# Altium PCB IC_LAB_test.PcbDoc (part 2 of 8) (continued)
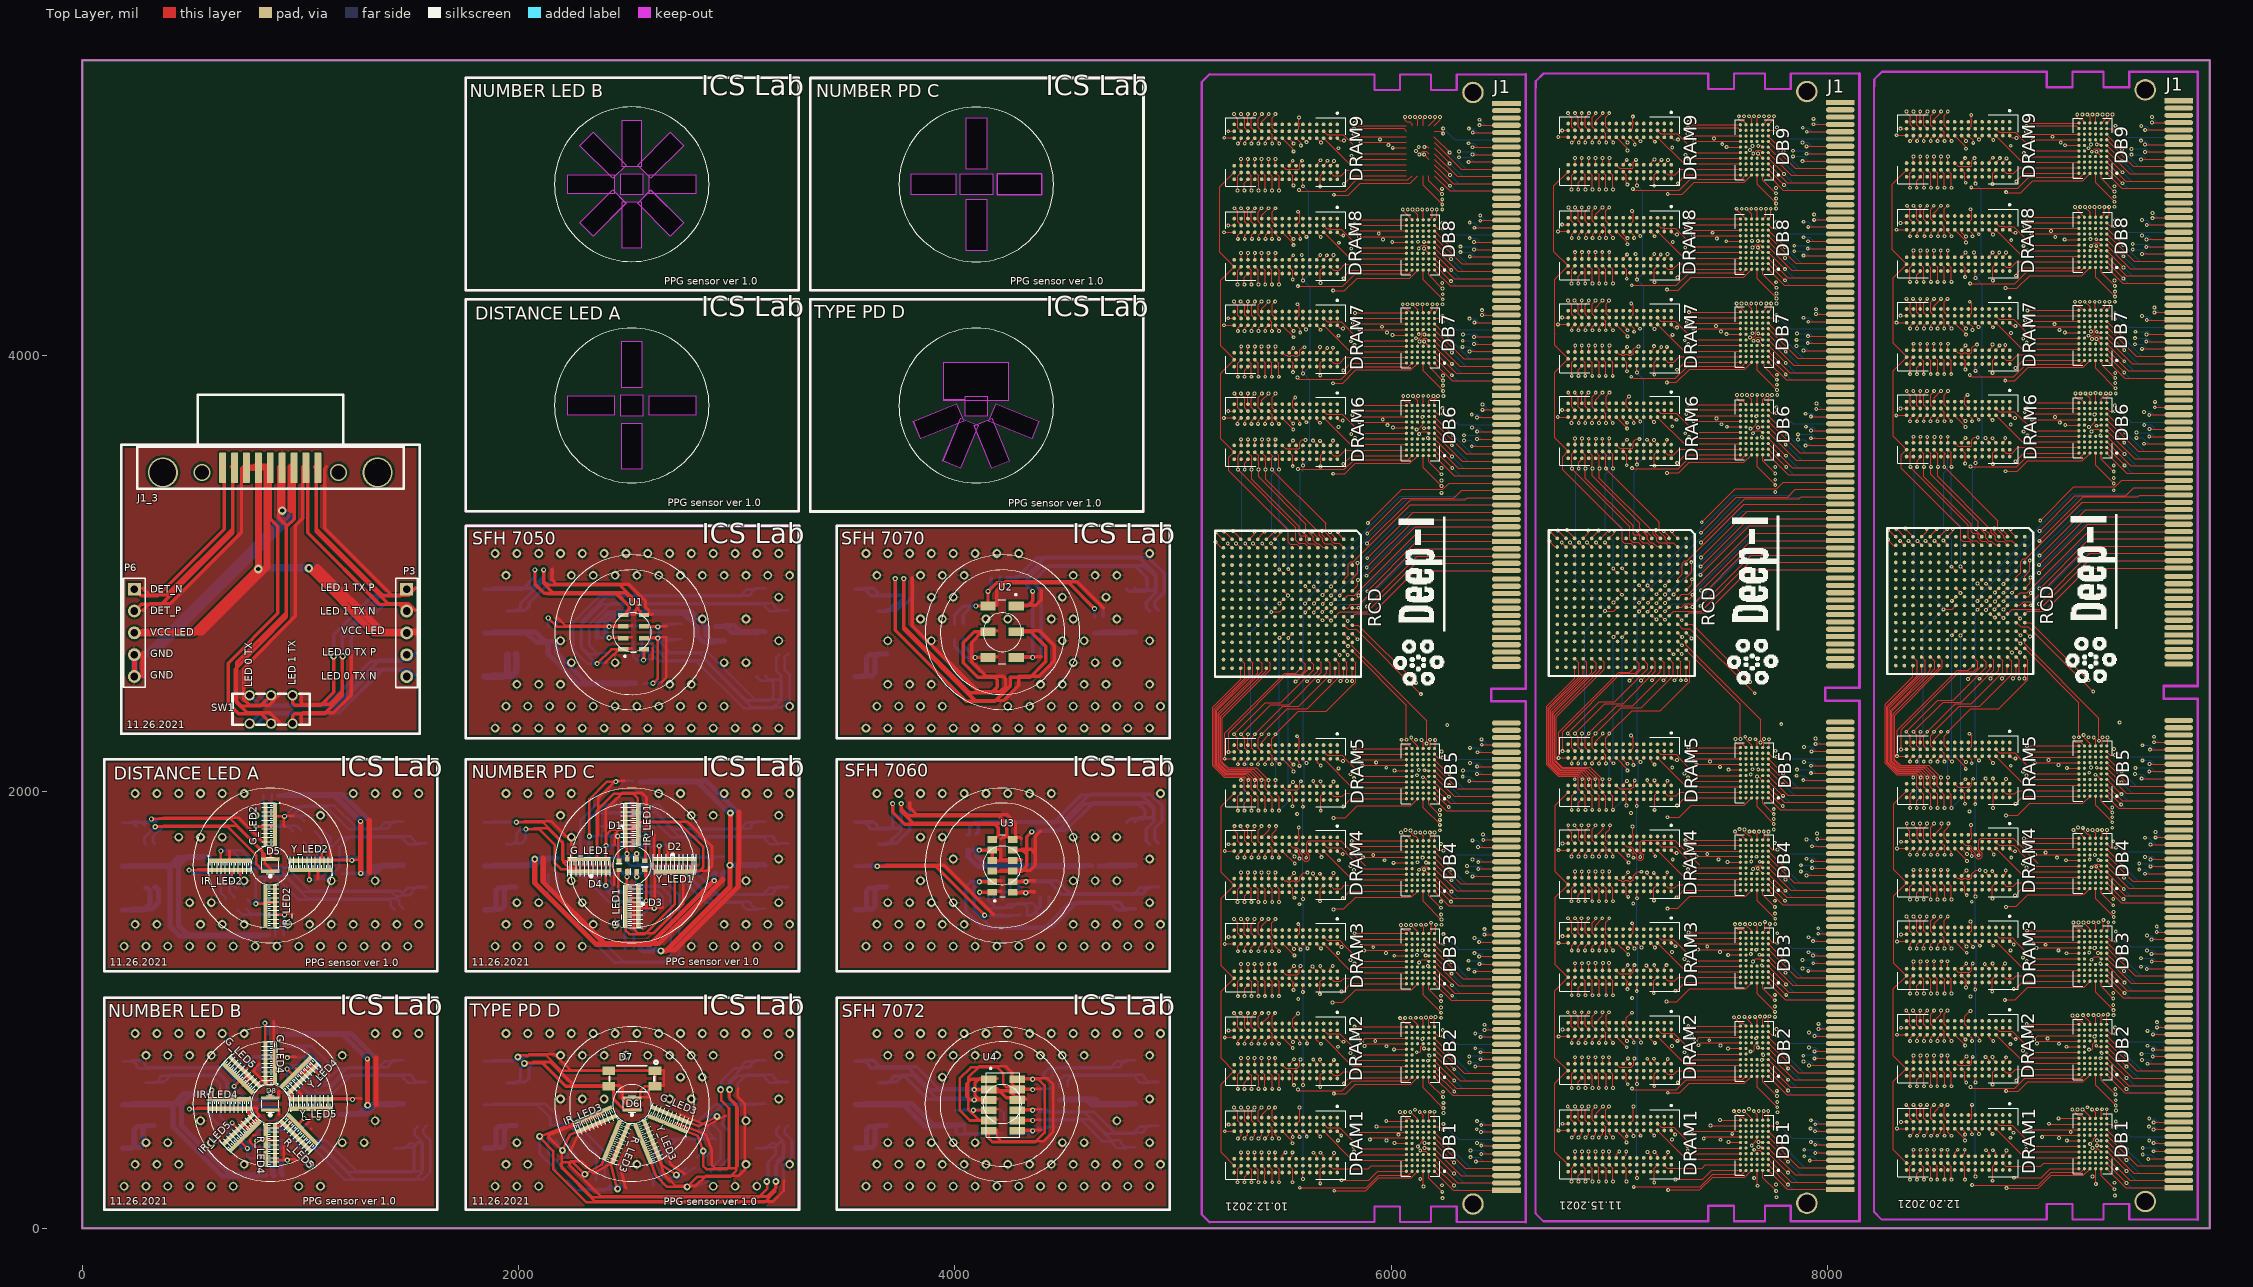
[diagram p0: Top Layer view]
## Nets (pads, with @x,y where several pads share a name; then routed paths per layer and width w, separated by ;. In a path a pad name is that pad's centre, name@x,y a point inside that pad or via, vN(x,y) a via of type N, cw(c..) or ccw(c..) an arc to the next point about the centre after c; other vN are vias at no path point) (continued)
5452.44,3965.24 5452.44,3955.34 5452.69,3955.08 5452.69,3942.48 5452.44,3942.22 v1(5452.44,3902.24) v1@5452.44,3901.24 ; 5437.48,4169.25 5437.48,4167.2 5452.44,4152.24 5452.44,4144.31 5452.69,4144.06 5452.69,4131.45 5452.44,4131.2 v1@5452.44,4114.24 ; 5437.48,4406.46 5437.48,4406.2 5452.44,4391.24 5452.44,4381.52 5452.69,4381.26 5452.69,4368.66 5452.44,4368.4 v1@5452.44,4328.24 ; 5437.48,4595.43 5437.48,4594.2 5453.44,4578.24 v1@5453.44,4540.24 ; 5437.48,4838.23 5437.48,4837.2 5453.44,4821.24 v1@5453.44,4759.24 ; 5437.48,5027.2 5453.44,5011.24 5453.44,4974.24 v1@5454.44,4973.24 ; v1(5448.44,3139.24) 5448.44,3137.68 5466.85,3119.27 5466.85,3117.72 ; v1(5449.44,2824.24) 5488.33,2824.24 5506.22,2842.13 ; 5466.85,3157.09 5491.44,3181.68 v1(5491.44,3192.24) ; v1(5467.44,347.24) 5468.21,346.47 5468.21,318.52 5468.98,317.76 ; v1(5467.44,553.24) 5453.44,539.24 5453.44,492.24 5468.98,476.7 5468.98,475.24 ; v1(5467.44,779.24) 5468.21,778.47 5468.21,749.7 5468.98,748.94 ; v1@5467.44,984.24 5453.76,970.56 5453.76,921.92 5468.98,906.7 5468.98,906.42 ; v1(5467.44,1211.24) 5468.21,1210.47 5468.21,1177.93 5468.98,1177.17 ; v1(5467.44,4247.24) 5453.76,4233.56 5453.76,4185.92 5468.98,4170.7 5468.98,4169.25 ; v1@5468.44,1414.24 5452.69,1398.49 5452.69,1347.98 5466.03,1334.65 5468.98,1334.65 ; v1@5468.44,1629.24 5468.44,1602.7 5468.98,1602.17 ; v1@5468.44,2259.24 5452.69,2243.49 5452.69,2197.98 5468.08,2182.6 5468.98,2182.6 ; v1(5468.44,2263.24) 5573.44,2368.24 5702.44,2368.24 5825.83,2491.63 5826.91,2491.63 5836.3,2501.02 5836.3,2590.79 5821.18,2605.91 ; v1(5468.44,3615.24) 5468.98,3614.7 5468.98,3587.36 ; v1(5468.44,4469.24) 5468.44,4438.49 5468.98,4437.95 ; v1(5468.44,4674.24) 5453.44,4659.24 5453.44,4612.24 5468.98,4596.7 5468.98,4595.43 ; v1@5468.44,5103.24 5453.44,5088.24 5453.44,5043.24 5468.98,5027.7 5468.98,5027.2 ; 5468.98,286.26 5485.44,269.8 5485.44,261.25 5485.26,261.07 5485.26,248.46 5485.44,248.28 v1(5485.44,210.24) ; 5468.98,443.74 5468.98,427.7 v1(5485.44,411.24) ; 5468.98,717.44 5485.44,700.98 5485.44,692.43 5485.26,692.25 5485.26,679.64 5485.44,679.46 v1(5485.44,638.24) ; 5468.98,874.92 5468.98,866.7 v1@5485.44,850.24 ; 5468.98,1145.67 5485.44,1129.2 5485.44,1120.66 5485.26,1120.48 5485.26,1107.87 5485.44,1107.69 v1(5485.44,1063.24) ; 5468.98,1303.15 5468.98,1290.7 v1@5485.44,1274.24 ; 5468.98,1570.67 5485.44,1554.2 5485.44,1545.66 5485.26,1545.48 5485.26,1532.87 5485.44,1532.69 v1@5485.44,1497.24 ; 5468.98,1728.15 5484.44,1712.68 v1@5484.44,1705.24 ; 5468.98,1759.65 5468.03,1759.65 5453.44,1774.24 5453.44,1807.24 5471.44,1825.24 v1@5471.44,1840.24 ; 5468.98,1993.62 5468.98,1991.7 5485.44,1975.24 5485.44,1968.61 5485.26,1968.43 5485.26,1955.82 5485.44,1955.64 v1(5485.44,1913.24) ; 5468.98,2025.12 5469.44,2025.58 v1(5469.44,2053.24) v1@5469.44,2056.24 ; 5468.98,2151.1 5468.98,2141.7 5484.17,2126.5 v1(5488.27,2126.5) ; 5468.98,3555.87 5470.81,3555.87 5484.44,3542.24 5484.44,3479.24 v1@5485.44,3478.24 ; 5468.98,3713.35 5468.98,3704.7 v1@5484.44,3689.24 ; 5468.98,3744.84 5468.98,3745.7 5453.76,3760.92 5453.76,3808.56 v1@5469.44,3824.24 ; 5468.98,3980.28 5468.98,3979.7 5484.44,3964.24 v1(5484.44,3902.24) ; 5468.98,4011.77 5468.98,4039.77 v1@5469.44,4040.24 ; 5468.98,4137.76 5468.98,4131.7 v1@5485.44,4115.24 ; 5468.98,4406.46 5469.22,4406.46 5485.44,4390.24 5485.44,4381.45 5485.26,4381.26 5485.26,4368.66 5485.44,4368.48 v1@5485.44,4329.24 ; 5468.98,4563.94 5468.98,4556.7 v1@5485.44,4540.24 ; 5468.98,4838.23 5468.98,4837.7 5485.44,4821.24 5485.44,4813.22 5485.26,4813.03 5485.26,4800.43 5485.44,4800.25 v1@5485.44,4761.24 ; 5468.98,4869.72 5468.98,4899.77 v1(5469.44,4900.24) ; 5468.98,4995.71 5468.98,4991.7 v1@5486.44,4974.24 ; v1(5486.44,3019.24) 5486.52,3019.24 5506.15,2999.61 5506.22,2999.61 ; v1(5487.44,2705.24) 5506.22,2724.02 ; v1(5487.44,2863.24) 5505.7,2881.5 5506.22,2881.5 ; 5500.47,317.76 5500.47,333.27 v1(5514.44,347.24) ; 5500.47,443.74 5545.72,398.49 5545.72,390.96 v1(5547.44,389.24) ; 5500.47,748.94 5515.69,733.72 5569.77,733.72 5579.75,743.7 5579.75,769.54 v1(5583.44,773.24) ; 5500.47,874.92 5500.47,874.06 5548.44,826.09 v1(5548.44,825.24) ; 5500.47,1177.17 5515.69,1161.95 5569.77,1161.95 5578.68,1170.86 5578.68,1196.47 v1(5583.44,1201.24) ; 5500.47,1303.15 5501.5,1303.15 5554.41,1250.24 v1(5555.44,1250.24) ; 5500.47,1602.17 5511.4,1591.24 5521.38,1591.24 5525.67,1586.95 5538.27,1586.95 5542.56,1591.24 5552.88,1591.24 5557.16,1586.95 5569.77,1586.95 5574.05,1591.24 5579.44,1591.24 5579.44,1611.37 5597.31,1629.24 v1(5615.44,1629.24) ; 5500.5,1728.15 v1(5557.44,1671.24) ; 5500.47,2025.12 5515.69,2009.9 5569.77,2009.9 5579.75,2019.88 5579.75,2042.32 v1(5585.44,2048.02) ; 5500.47,2151.1 5549.72,2101.86 5549.72,2094.96 v1(5551.44,2093.24) ; 5500.47,3587.36 5500.47,3587.2 5516.44,3571.24 5575.44,3571.24 5579.44,3575.24 5579.44,3601.24 5590.44,3612.24 v1(5606.44,3612.24) ; 5500.47,3713.35 5500.47,3711.78 5550.44,3661.81 v1(5550.44,3660.24) ; 5500.47,4011.77 5502.91,4011.77 5514.44,4000.24 5521.99,4000.24 5525.67,3996.56 5538.27,3996.56 5541.95,4000.24 5553.48,4000.24 5557.16,3996.56 5569.77,3996.56 5573.45,4000.24 5579.44,4000.24 5579.44,4023.24 5591.94,4035.74 5600.94,4035.74 v1(5602.44,4037.24) ; 5500.47,4137.76 5500.47,4136.48 5552.44,4084.51 v1(5552.44,4083.24) ; 5500.47,4563.94 5550.72,4513.69 5550.72,4506.96 v1(5552.44,4505.24) ; 5500.47,4869.72 5515.96,4854.24 5576.44,4854.24 5579.44,4857.24 5579.44,4881.24 5590.44,4892.24 v1(5591.44,4892.24) ; 5500.47,4995.71 5550.72,4945.46 5550.72,4936.96 v1(5552.44,4935.24) ; 5506.22,2920.87 5526.44,2900.65 v1(5526.44,2899.24) ; v1(5527.44,2704.24) 5527.44,2705.87 5545.59,2724.02 ; v1(5527.44,3020.24) 5527.44,3019 5545.59,3000.85 5545.59,2999.61 ; 5531.97,286.26 5531.97,284.71 5547.18,269.49 5547.18,210.49 v1(5547.44,210.24) ; 5531.97,317.76 5546.44,332.23 v1(5546.44,347.24) ; 5531.97,443.74 5547.97,427.74 5547.97,417.7 v1(5548.44,417.24) ; 5531.97,717.44 5547.44,701.97 5547.44,663.67 5553.44,657.67 v1(5553.44,655.24) ; 5531.97,748.94 5531.97,750.35 5554.44,772.82 v1(5554.44,774.24) ; 5531.97,874.92 5531.97,872.82 5549.44,855.34 v1(5549.44,853.24) ; 5531.97,1145.67 5552.44,1125.2 5552.44,1124.67 5548.25,1120.48 5548.25,1107.87 5552.44,1103.68 v1(5552.44,1091.24) ; 5531.97,1177.17 5531.97,1178.46 5553.44,1199.94 v1(5553.44,1201.24) ; 5531.97,1303.15 5531.97,1302.43 5554.44,1279.96 v1(5554.44,1279.24) ; 5531.97,1570.67 5547.32,1555.31 5547.32,1522.35 v1(5555.44,1514.24) ; 5531.97,1602.17 5531.97,1603.46 5554.44,1625.94 v1(5554.44,1627.24) ; 5531.97,1728.15 5531.97,1727.93 5556.44,1703.46 v1(5556.44,1703.24) ; 5531.97,1759.65 5548.25,1743.36 5569.77,1743.36 5579.75,1733.38 5579.75,1721.85 5594.71,1706.88 5594.71,1690.9 5603.85,1681.76 5616.78,1681.76 5625.93,1690.9 5625.93,1707.16 5611.24,1721.85 5611.24,1765.95 5620.15,1774.86 5767.82,1774.86 5881.59,1661.09 ; 5531.97,1993.62 5533.06,1993.62 5547.44,1979.24 v1(5547.44,1933.24) ; 5531.97,2025.12 5531.97,2026.44 5549.44,2043.91 v1(5549.44,2045.24) ; 5531.97,2151.1 5534.63,2148.44 5534.63,2140.04 5550.44,2124.24 v1(5552.44,2124.24) ; 5531.97,3555.87 5548.44,3539.39 5548.44,3530.86 5548.25,3530.67 5548.25,3518.07 5548.44,3517.88 v1(5548.44,3492.24) ; 5531.97,3587.36 5531.97,3589.56 5549.44,3607.04 v1(5549.44,3609.24) ; 5531.97,3713.35 5533.44,3711.87 5533.44,3702.24 5548.44,3687.24 v1(5550.44,3687.24) ; 5531.97,3980.28 5549.44,3962.8 5549.44,3956.27 5548.25,3955.08 5548.25,3942.48 5549.44,3941.29 v1(5549.44,3923.24) ; 5531.97,4011.77 5531.97,4013.77 5550.44,4032.24 v1(5550.44,4034.24) ; 5531.97,4137.76 5531.97,4134.14 5552.44,4113.67 v1(5552.44,4111.24) ; 5531.97,4406.46 5531.97,4404.71 5548.44,4388.24 5548.44,4381.45 5548.25,4381.26 5548.25,4368.66 5548.44,4368.47 v1(5548.44,4347.24) ; 5531.97,4437.95 5531.97,4439.36 5550.44,4457.83 v1(5550.44,4459.24) ; 5531.97,4563.94 5533.7,4562.2 5533.7,4550.97 5551.44,4533.24 v1(5552.44,4533.24) ; 5531.97,4838.23 5531.97,4837.71 5547.44,4822.24 5547.44,4787.24 5549.72,4784.96 5549.72,4780.96 v1(5551.44,4779.24) ; 5531.97,4869.72 5531.97,4873.33 5548.44,4889.8 v1(5548.44,4892.24) ; 5531.97,4995.71 5531.97,4993.71 5552.44,4973.24 v1(5552.44,4971.24) ; v1(5559.44,3807.24) 5547.44,3795.24 5547.44,3762.24 5563.46,3746.21 5563.46,3744.84 ; v1(5561.44,2505.24) 5563.03,2505.24 5624.33,2566.54 ; 5563.46,443.74 5578.47,428.74 5578.47,419.21 v1(5579.44,418.24) ; 5563.46,475.24 5579.44,491.21 v1(5579.44,553.24) ; 5563.46,874.92 5580.44,857.94 v1(5580.44,846.24) ; 5563.46,906.42 5547.32,922.56 5547.32,960.12 5570.44,983.24 v1(5572.44,983.24) ; 5563.46,1303.15 5563.46,1300.65 5584.44,1279.67 v1(5584.44,1277.24) ; 5563.46,1334.65 5579.44,1350.62 5579.44,1384.8 5573.44,1390.8 v1(5573.44,1393.24) ; 5563.46,1728.15 5563.46,1726.11 5578.82,1710.75 v1(5578.82,1693.43) ; 5563.46,1759.65 5578.68,1774.86 5578.68,1797.44 5575.44,1800.68 v1(5575.44,1836.24) ; 5563.46,2151.1 5578.82,2135.75 v1(5578.82,2118.63) ; 5563.46,2182.6 5578.68,2197.81 5578.68,2244 v1(5568.44,2254.24) ; 5563.46,3713.35 5580.07,3696.74 5580.07,3686.6 v1(5580.44,3686.24) ; 5563.46,4137.76 5582.44,4118.78 v1(5582.44,4104.24) ; 5563.46,4169.25 5578.68,4184.47 5578.68,4225 v1(5569.44,4234.24) ; 5563.46,4563.94 5582.44,4544.96 v1(5582.44,4534.24) ; 5563.46,4595.43 5579.44,4611.41 5579.44,4650.39 5572.44,4657.39 v1(5572.44,4658.24) ; 5563.46,4995.71 5585.44,4973.73 v1(5585.44,4962.24) ; 5563.46,5027.2 5565.41,5027.2 5576.44,5038.24 5576.44,5050.16 5578.68,5052.4 5578.68,5065 5576.44,5067.24 v1(5576.44,5090.24) ; v1(5569.44,3898.24) 5577.44,3890.24 5771.44,3890.24 5828.12,3946.91 6077.07,3946.91 6095.08,3964.92 ; v1(5571.44,4317.24) 5776.44,4317.24 5834.44,4375.24 6079.21,4375.24 6095.08,4391.1 ; v1(5572.44,635.24) 5577.44,630.24 5775.44,630.24 5820.44,675.24 6078.62,675.24 6095.08,691.69 ; v1(5572.44,3479.24) 5574.44,3477.24 5784.44,3477.24 5829.44,3522.24 6076.8,3522.24 6095.08,3540.51 ; v1(5576.44,4758.24) 5581.44,4753.24 5788.44,4753.24 5839.12,4803.91 6076.12,4803.91 6095.08,4822.87 ; v1(5580.44,185.24) 5884.44,185.24 5942.44,243.24 6077.8,243.24 6095.08,260.51 ; v1(5594.44,1082.24) 5594.96,1082.76 5594.96,1114.17 ; v1(5594.44,1931.24) 5594.96,1931.76 5594.96,1962.13 ; 5594.96,254.76 5594.96,225.72 v1(5595.44,225.24) ; 5594.96,443.74 5612.44,426.26 v1(5612.44,419.24) ; 5594.96,685.94 5595.44,685.46 v1(5595.44,656.24) ; 5594.96,874.92 5614.25,855.63 v1(5614.25,846.98) ; 5594.96,1303.15 5596.74,1303.15 5615.66,1284.24 v1(5615.66,1282.38) ; 5594.96,1539.17 5594.96,1508.72 v1(5595.44,1508.24) ; 5594.96,1728.15 5594.96,1725.93 5614.51,1706.38 5610.32,1702.18 v1(5610.32,1697.37) ; 5594.96,2151.1 5594.96,2149.91 5611.44,2133.43 v1(5611.44,2132.24) ; 5594.96,3524.37 5594.96,3495.72 v1(5595.44,3495.24) ; 5594.96,3713.35 5594.96,3711.03 5610.44,3695.55 v1(5610.44,3693.24) ; 5594.96,3948.78 5594.96,3917.72 v1(5595.44,3917.24) ; 5594.96,4135.15 v1@5609.44,4120.67 ; 5594.96,4374.96 5594.96,4343.72 v1(5595.44,4343.24) ; 5594.96,4563.94 5594.96,4561.15 5610.44,4545.67 v1(5610.44,4543.24) ; 5594.96,4806.73 5594.96,4775.72 v1(5595.44,4775.24) ; 5594.96,4995.71 5594.96,4994.71 5611.44,4978.23 v1(5611.44,4977.24) ; v1(5598.44,3192.24) 5600.16,3190.51 5600.16,3184 5624.33,3159.83 5624.33,3157.09 ; v1(5604.44,2862.24) 5604.76,2862.24 5624.02,2881.5 5624.33,2881.5 ; v1(5605.44,2822.24) 5624.33,2841.13 5624.33,2842.13 ; v1(5605.44,2942.24) 5605.44,2941 5624.33,2922.11 5624.33,2920.87 ; v1(5613.44,2506.24) 5616.44,2506.24 5662.44,2552.24 5662.44,2565.28 5663.7,2566.54 ; v1(5636.44,3192.24) 5661.44,3167.24 5661.44,3159.35 5663.7,3157.09 ; v1(5638.44,1199.24) 5638.44,1197.96 5657.95,1178.45 5657.95,1177.17 ; v1(5641.44,1625.24) 5643.16,1623.51 5643.16,1616.96 5657.95,1602.17 ; v1(5641.44,3609.24) 5657.95,3592.72 5657.95,3587.36 ; v1(5642.44,772.24) 5657.95,756.72 5657.95,748.94 ; v1(5642.44,2049.24) 5644.16,2047.51 5644.16,2038.91 5657.95,2025.12 ; v1(5643.44,345.24) 5657.95,330.72 5657.95,317.76 ; v1(5644.44,2821.24) 5644.44,2822.05 5663.7,2841.31 5663.7,2842.13 ; v1(5644.44,2941.24) 5644.44,2940.68 5663.7,2921.42 5663.7,2920.87 ; v1(5645.44,2862.24) 5645.44,2862.74 5663.7,2881 5663.7,2881.5 ; 5657.95,443.74 5657.95,436.72 v1(5674.44,420.24) ; 5657.95,874.92 5656.44,873.41 5656.44,864.24 5675.44,845.24 v1(5677.44,845.24) ; 5657.95,1303.15 5657.95,1302.44 5677.44,1282.95 v1(5677.44,1282.24) ; 5657.95,1728.15 5677.72,1708.38 5677.72,1701.96 v1(5679.44,1700.24) ; 5657.95,2151.1 5660.62,2148.44 5660.62,2136.06 v1(5676.44,2120.24) ; 5657.95,3713.35 5660.44,3710.86 5660.44,3703.24 5672.44,3691.24 v1(5673.44,3691.24) ; 5657.95,4011.77 5673.44,4027.26 v1(5673.44,4038.24) ; 5657.95,4137.76 5657.95,4136.24 5675.44,4118.75 v1(5675.44,4117.24) ; 5657.95,4437.95 5657.95,4441.31 5674.44,4457.8 v1(5674.44,4460.24) ; 5657.95,4563.94 5657.95,4562.33 5676.44,4543.84 v1(5676.44,4542.24) ; 5657.95,4869.72 5660.62,4872.39 5660.62,4879.41 v1(5675.44,4894.24) ; 5657.95,4995.71 5657.95,4995.22 5677.44,4975.73 v1(5677.44,4975.24) ; 5663.7,2802.76 5665.81,2802.76 5682.33,2786.24 v1(5684.44,2786.24) ; v1(5664.44,2507.24) 5703.07,2545.87 5703.07,2566.54 ; v1(5672.44,1072.24) 5672.44,1107.14 5673.17,1107.87 5673.17,1120.48 5672.44,1121.2 5672.44,1128.66 5689.45,1145.67 ; v1(5672.44,1624.24) 5672.44,1621.8 5689.45,1604.79 5689.45,1602.17 ; v1(5673.44,772.24) 5675.16,770.51 5675.16,763.22 5689.45,748.94 ; v1(5673.44,1498.24) 5673.44,1554.66 5689.45,1570.67 ; v1(5673.44,3608.24) 5673.44,3605.8 5689.45,3589.8 5689.45,3587.36 ; v1(5674.44,205.24) 5674.44,248.25 5674.23,248.46 5674.23,261.07 5674.44,261.27 5674.44,271.25 5689.45,286.26 ; v1(5674.44,646.24) 5674.44,679.44 5674.23,679.64 5674.23,692.25 5674.44,692.45 5674.44,702.43 5689.45,717.44 ; v1(5674.44,1201.24) 5675.88,1199.8 5675.88,1190.74 5689.45,1177.17 ; v1(5674.44,3907.24) 5674.44,3942.27 5674.23,3942.48 5674.23,3955.08 5674.44,3955.29 5674.44,3965.27 5689.45,3980.28 ; v1(5674.44,4773.24) 5674.44,4800.22 5674.23,4800.43 5674.23,4813.03 5674.44,4813.24 5674.44,4823.22 5689.45,4838.23 ; v1(5675.44,345.24) 5687.52,333.16 5687.52,319.68 5689.45,317.76 ; v1(5675.44,2048.24) 5676.83,2046.85 5676.83,2037.74 5689.45,2025.12 ; v1(5675.44,3490.24) 5675.44,3516.86 5674.23,3518.07 5674.23,3530.67 5675.44,3531.88 5675.44,3541.86 5689.45,3555.87 ; v1(5675.44,4331.24) 5674.23,4332.44 5674.23,4391.24 5689.45,4406.46 ; v1(5676.44,1913.24) 5676.44,1980.61 5689.45,1993.62 ; v1(5682.44,3195.24) 5682.44,3177.48 5702.83,3157.09 5703.07,3157.09 ; v1(5683.44,2824.24) 5685.18,2824.24 5703.07,2842.13 ; v1(5684.44,2901.24) 5684.44,2901.74 5703.07,2920.37 5703.07,2920.87 ; v1(5685.44,2860.24) 5685.44,2862.05 5703.07,2879.68 5703.07,2881.5 ; 5689.45,443.74 5821.5,311.69 6069.49,311.69 ; 5689.45,475.23 5705.72,458.95 5764.72,458.95 5860.8,362.87 6069.49,362.87 ; 5689.45,874.92 5821.5,742.87 6069.49,742.87 ; 5689.45,906.42 5705.63,890.24 5764.44,890.24 5860.62,794.06 6069.49,794.06 ; 5689.45,1303.15 5821.5,1171.1 6069.49,1171.1 ; 5689.45,1334.65 5705.67,1318.43 5763.33,1318.43 5787.05,1294.7 5787.05,1294.63 5859.39,1222.28 6069.49,1222.28 ; 5689.45,1728.15 5821.5,1596.1 6069.49,1596.1 ; 5689.45,1759.65 5705.73,1743.36 5771.39,1743.36 5793.05,1721.7 5793.05,1718.63 5864.39,1647.28 6069.49,1647.28 ; 5689.45,2151.1 5821.5,2019.06 6069.49,2019.06 ; 5689.45,2182.6 5705.2,2166.85 5774.9,2166.85 5794.05,2147.7 5794.05,2145.63 5869.44,2070.24 6069.49,2070.24 ; 5689.45,3713.35 5811.1,3591.69 6069.49,3591.69 ; 5689.45,3744.84 5689.83,3744.84 5704.44,3730.24 5774.44,3730.24 5861.8,3642.87 6069.49,3642.87 ; 5689.45,4011.77 5689.45,4014.81 5706.44,4031.8 v1(5706.44,4034.24) ; 5689.45,4137.76 5811.1,4016.1 6069.49,4016.1 ; 5689.45,4169.25 5705.46,4153.24 5770.44,4153.24 5856.39,4067.28 6069.49,4067.28 ; 5689.45,4437.95 5702.72,4451.22 5702.72,4457.51 v1(5704.44,4459.24) ; 5689.45,4563.94 5811.1,4442.28 6069.49,4442.28 ; 5689.45,4595.43 5703.97,4580.91 5713.95,4580.91 5714.64,4580.22 5721.14,4580.22 5722.2,4579.15 5727.25,4579.15 5728.16,4578.24 5745.22,4578.24 5746.14,4579.15 5758.74,4579.15 5759.66,4578.24 5771.44,4578.24 5856.21,4493.46 6069.49,4493.46 ; 5689.45,4869.72 5689.45,4871.98 5707.44,4889.98 v1(5707.44,4892.24) ; 5689.45,4995.71 5811.1,4874.06 6069.49,4874.06 ; 5689.45,5027.2 5705.42,5011.24 5779.14,5011.24 5865.14,4925.24 6069.49,4925.24 ; 5703.07,2802.76 5704,2802.76 5722.52,2784.24 v1(5723.44,2784.24) ; v1(5717.44,2507.24) 5742.44,2532.24 5742.44,2566.54 ; 5720.94,286.26 5720.94,283.73 5733.63,271.05 5894.03,271.05 5909.09,286.1 6069.49,286.1 ; 5720.94,317.76 5736.93,333.74 5736.93,343.72 v1(5737.44,344.24) ; 5720.94,717.44 5737.09,701.3 5763.5,701.3 5779.49,717.28 6069.49,717.28 ; 5720.94,748.94 5734.72,762.71 5734.72,769.51 v1(5736.44,771.24) ; 5720.94,1145.67 5736.16,1130.45 5768.66,1130.45 5783.72,1145.51 6069.49,1145.51 ; 5720.94,1177.17 5720.94,1190.74 v1(5731.44,1201.24) ; 5720.94,1570.67 5736.16,1555.45 5769.66,1555.45 5784.72,1570.51 6069.49,1570.51 ; 5720.94,1602.17 5734.44,1615.66 v1(5734.44,1627.24) ; 5720.94,1993.62 5736.16,1978.41 5775.61,1978.41 5790.67,1993.46 6069.49,1993.46 ; 5720.94,2025.12 5733.72,2037.89 5733.72,2044.51 v1(5735.44,2046.24) ; 5720.94,3555.87 5736.16,3540.65 5763.86,3540.65 5789.31,3566.1 6069.49,3566.1 ; 5720.94,3587.36 5732.32,3598.74 5732.32,3609.11 v1(5732.44,3609.24) ; 5720.94,3980.28 5736.16,3965.06 5764.27,3965.06 5789.72,3990.51 6069.49,3990.51 ; 5720.94,4011.77 5732.44,4023.27 v1(5732.44,4035.24) ; 5720.94,4406.46 5736.17,4391.24 5760.44,4391.24 5785.9,4416.69 6069.49,4416.69 ; 5720.94,4437.95 5733.72,4450.73 5733.72,4458.51 v1(5735.44,4460.24) ; 5720.94,4838.23 5736.16,4823.01 5770.22,4823.01 5795.67,4848.46 6069.49,4848.46 ; 5720.94,4869.72 5720.94,4872.3 5737.44,4888.8 v1(5737.44,4891.24) ; v1(5723.44,2861.24) 5723.44,2861.87 5742.44,2880.87 5742.44,2881.5 ; v1(5723.44,2900.24) 5723.44,2901.05 5742.44,2920.05 5742.44,2920.87 ; v1(5723.44,2940.24) 5723.44,2940.74 5742.44,2959.74 5742.44,2960.24 ; v1(5724.44,2823.24) 5724.44,2823.68 5742.44,2841.68 5742.44,2842.13 ; v1(5730.44,1034.24) 5777.44,1034.24 5836.44,1093.24 6093.98,1093.24 6120.67,1119.92 ; v1(5732.44,3872.24) 5776.44,3872.24 5837.44,3933.24 6088.98,3933.24 6120.67,3964.92 ; v1(5733.44,3457.24) 5787.44,3457.24 5835.44,3505.24 6085.39,3505.24 6120.67,3540.51 ; v1(5733.44,4297.24) 5735.44,4295.24 5784.44,4295.24 5843.44,4354.24 6083.8,4354.24 6120.67,4391.1 ; v1(5735.44,1460.24) 5738.44,1463.24 5782.44,1463.24 5836.44,1517.24 6080.44,1517.24 6081.44,1518.24 6093.98,1518.24 6120.67,1544.92 ; v1(5735.44,1879.24) 5736.44,1880.24 5788.44,1880.24 5843.44,1935.24 6088.03,1935.24 6120.67,1967.87 ; v1(5736.44,616.24) 5791.44,616.24 5834.44,659.24 6088.21,659.24 6120.67,691.69 ; v1(5736.44,4736.24) 5736.44,4735.24 5737.44,4734.24 5802.44,4734.24 5857.44,4789.24 6087.03,4789.24 6120.67,4822.87 ; v1(5738.44,171.24) 5883.44,171.24 5942.44,230.24 6090.39,230.24 6120.67,260.51 ; 5742.44,2645.28 5761.48,2626.24 v1(5763.44,2626.24) ; 5742.44,2802.76 5763.92,2824.24 5889.44,2824.24 6112.18,3046.97 6527.44,3046.97 ; 5742.44,3157.09 5740.44,3159.09 5740.44,3166.24 v1@5719.79,3186.89 ; 5752.44,443.74 5770.44,425.74 v1(5770.44,425.05) ; 5752.44,874.92 5771.4,855.96 5778.72,855.96 v1(5780.44,854.24) ; 5752.44,1303.15 5756.53,1303.15 v1(5771.44,1288.24) ; 5752.44,1728.15 5765.35,1715.24 v1(5777.44,1715.24) ; 5752.44,2151.1 5754.49,2151.1 5764.35,2141.24 v1(5778.44,2141.24) ; 5752.44,3713.35 5764.55,3701.24 v1(5777.44,3701.24) ; 5752.44,4137.76 5766.96,4123.24 v1(5778.44,4123.24) ; 5752.44,4563.94 5766.14,4550.24 v1(5779.44,4550.24) ; 5752.44,4995.71 5763.39,4984.76 v1(5783.54,4984.76) ; v1(5756.44,3191.24) 5758.16,3189.52 5758.16,3180.74 5781.81,3157.09 ; v1(5763.44,2900.24) 5763.44,2901.37 5781.81,2919.74 5781.81,2920.87 ; v1(5767.44,2507.24) 5781.81,2521.61 5781.81,2566.54 ; v1(5771.44,1084.24) 5773.16,1085.96 5781.16,1085.96 5815.13,1119.92 6069.49,1119.92 ; v1(5772.44,219.24) 5897.44,219.24 5938.72,260.51 6069.49,260.51 ; v1(5777.44,1512.24) 5810.13,1544.92 6069.49,1544.92 ; v1(5779.44,1932.24) 5815.08,1967.87 6069.49,1967.87 ; v1(5779.44,3930.24) 5814.13,3964.92 6069.49,3964.92 ; v1(5779.61,3502.48) 5817.64,3540.51 6069.49,3540.51 ; v1(5781.44,4353.24) 5781.44,4359.24 5812.44,4390.24 6068.62,4390.24 6069.49,4391.1 ; 5781.81,2605.91 5796.44,2591.28 5796.44,2573.28 5796.93,2572.8 5796.93,2560.27 5796.44,2559.79 v1(5796.44,2507.24) ; 5781.81,2645.28 5799.85,2627.24 v1(5800.44,2627.24) ; 5781.81,2684.65 5784.03,2684.65 v1(5801.44,2667.24) ; 5781.81,2724.02 5800.59,2705.24 v1(5802.44,2705.24) ; 5781.81,2763.39 5784.29,2763.39 5803.44,2744.24 5838.44,2744.24 v1(6135.44,2447.24) ; 5781.81,2802.76 5781.81,2801.81 5800.44,2783.18 v1(5800.44,2782.24) ; 5781.81,2842.13 5799.8,2842.13 5816.52,2858.84 5855.05,2858.84 6110.1,3113.9 6527.44,3113.9 ; 5781.81,2881.5 5800.55,2900.24 5832.44,2900.24 6113.03,3180.83 6527.44,3180.83 ; 5781.81,2960.24 5783.31,2961.73 5783.31,2973.1 5802.44,2992.24 5802.44,3043.24 5814.44,3055.24 5826.44,3055.24 6085.89,3314.69 6527.44,3314.69 ; v1(5782.44,664.24) 5782.44,665.24 5807.44,690.24 6068.03,690.24 6069.49,691.69 ; v1(5782.44,4785.24) 5820.08,4822.87 6069.49,4822.87 ; v1(5818.38,1751.3) 6067.83,1751.3 6069.49,1749.65 ; v1(5818.44,1774.24) 5818.94,1774.74 6068.99,1774.74 6069.49,1775.24 ; v1(5820.44,2507.24) 5821.18,2507.98 5821.18,2566.54 ; 5821.18,2645.28 6069.44,2397.02 v1@6069.44,2239.24 ; 5821.18,2684.65 5821.18,2666.65 6161.87,2325.97 v1(6161.87,2221.68) ; 5821.18,2724.02 5845.44,2699.76 v1(5845.44,2699.24) ; 5821.18,2763.39 5849.29,2763.39 v1(6113.44,2499.24) ; 5821.18,2802.76 5834.66,2816.24 5912.41,2816.24 6109.68,3013.51 6527.44,3013.51 ; 5821.18,2842.13 5848.33,2842.13 v1(5849.44,2843.24) ; 5821.18,2881.5 5837.7,2881.5 5848.44,2892.24 5848.44,2898.24 v1(5849.44,2899.24) ; 5821.18,2920.87 5846.44,2946.13 5846.44,2969.24 v1(5847.44,2970.24) ; 5821.18,2960.24 5821.18,2976.98 5845.44,3001.24 5845.44,3047.24 v1(5844.44,3048.24) ; v1(5828.44,352.24) 5843.39,337.28 6069.49,337.28 ; v1(5828.44,783.24) 5843.21,768.46 6069.49,768.46 ; v1(5828.44,897.24) 5829.26,896.42 6069.49,896.42 ; v1(5829.44,1641.24) 5848.98,1621.69 6069.49,1621.69 ; v1(5829.44,2062.24) 5847.03,2044.65 6069.49,2044.65 ; v1(5829.44,5040.24) 6056.85,5040.24 6069.49,5027.6 ; v1(5830.44,923.24) 5831.67,922.01 6069.49,922.01 ; v1(5830.44,1213.24) 5846.98,1196.69 6069.49,1196.69 ; v1(5830.44,1324.24) 5830.65,1324.44 6069.28,1324.44 6069.49,1324.65 ; v1(5830.44,4048.24) 5836.98,4041.69 6069.49,4041.69 ; v1(5830.44,4899.24) 5830.85,4899.65 6069.49,4899.65 ; v1(5830.44,5065.24) 5842.49,5053.19 6069.49,5053.19 ; v1(5831.44,1351.24) 5831.94,1350.74 6068.99,1350.74 6069.49,1350.24 ; v1(5831.44,2172.24) 5831.62,2172.42 6069.31,2172.42 6069.49,2172.6 ; v1(5831.44,2198.24) 5831.49,2198.19 6069.49,2198.19 ; v1(5831.44,3746.24) 5831.94,3745.74 6068.99,3745.74 6069.49,3745.24 ; v1(5831.44,3771.24) 5831.85,3770.83 6069.49,3770.83 ; v1(5831.44,4168.24) 5832.85,4169.65 6069.49,4169.65 ; v1(5831.44,4468.24) 5831.8,4467.87 6069.49,4467.87 ; v1(5831.44,4603.24) 5838.85,4595.83 6069.49,4595.83 ; v1(5832.44,4626.24) 5837.26,4621.42 6069.49,4621.42 ; v1(5833.44,3621.24) 5837.39,3617.28 6069.49,3617.28 ; v1(5833.44,4194.24) 5833.94,4194.74 6068.99,4194.74 6069.49,4195.24 ; v1(5834.44,1734.83) v1@5835.45,1735.84 ; v1(5836.44,4563.24) 5837.29,4563.24 5844.29,4570.24 6069.49,4570.24 ; v1(5839.44,3711.24) 5847.85,3719.65 6069.49,3719.65 ; v1(5840.44,4136.24) 5848.26,4144.06 6069.49,4144.06 ; v1(5843.44,4995.24) 5850.21,5002.01 6069.49,5002.01 ; v1(5848.44,440.24) 5849.03,439.65 6069.49,439.65 ; v1(5851.44,1718.24) 5853.88,1718.24 5859.7,1724.06 6069.49,1724.06 ; v1(5851.44,4545.24) 5852.03,4544.65 6069.49,4544.65 ; v1(5853.44,4119.24) 5854.21,4118.46 6069.49,4118.46 ; v1(5854.44,2136.24) 5865.21,2147.01 6069.49,2147.01 ; v1(5854.44,3694.24) 5854.62,3694.06 6069.49,3694.06 ; v1(5859.44,4976.24) 5859.62,4976.42 6069.49,4976.42 ; v1(5860.44,1292.24) 5867.26,1299.06 6069.49,1299.06 ; v1(5863.44,853.24) 5881.03,870.83 6069.49,870.83 ; v1(5868.44,2120.24) 5869.62,2121.42 6069.49,2121.42 ; v1(5869.44,1700.24) 5870.33,1699.35 6068.6,1699.35 6069.49,1698.46 ; v1(5875.44,1272.24) 5876.06,1272.85 6068.87,1272.85 6069.49,1273.46 ; v1(5877.44,834.24) 5888.44,845.24 6069.49,845.24 ; v1(5886.44,2990.24) 6110.5,3214.29 6527.44,3214.29 ; v1(5887.44,2848.24) 6119.64,3080.44 6527.44,3080.44 ; v1(5887.44,3028.24) 6106.96,3247.76 6527.44,3247.76 ; v1(5888.44,3138.24) 6089.44,3339.24 6339.44,3339.24 6348.36,3348.15 6527.44,3348.15 ; v1(5889.44,2919.24) 6117.57,3147.36 6527.44,3147.36 ; v1(5889.44,3070.24) 6100.43,3281.22 6527.44,3281.22 ; v1(5889.44,3183.24) 6051.44,3345.24 6285.44,3345.24 6321.82,3381.62 6527.44,3381.62 ; v1(5892.44,3231.24) 6046.73,3385.52 6235.8,3385.52 6265.36,3415.08 6527.44,3415.08 ; v1(5901.44,406.24) 5909.26,414.06 6069.49,414.06 ; v1(5932.44,466.24) 5933.44,465.24 6069.49,465.24 ; v1(5976.44,491.24) 5976.85,490.83 6069.49,490.83 ; v1(6004.44,4519.24) 6004.62,4519.06 6069.49,4519.06 ; v1(6005.44,4093.24) 6005.8,4092.87 6069.49,4092.87 ; v1(6006.44,4951.24) 6006.85,4950.83 6069.49,4950.83 ; v1(6007.44,3669.24) 6008.21,3668.46 6069.49,3668.46 ; v1(6010.44,1674.24) 6011.12,1673.56 6068.81,1673.56 6069.49,1672.87 ; v1(6012.44,819.24) 6012.85,819.65 6069.49,819.65 ; v1(6013.44,1248.24) 6013.8,1247.87 6069.49,1247.87 ; v1(6014.44,390.24) 6016.21,388.46 6069.49,388.46 ; v1(6014.44,2097.24) 6015.15,2096.53 6068.78,2096.53 6069.49,2095.83 ; v1(6039.44,532.24) 6065.44,506.24 6077.42,506.24 6079.05,504.61 6081.29,504.61 6095.08,490.83 ; v1(6040.44,962.24) 6064.44,938.24 6078.85,938.24 6095.08,922.01 ; v1(6044.44,1389.24) 6044.44,1377.24 6056.44,1365.24 6080.08,1365.24 6095.08,1350.24 ; v1(6044.44,1813.24) 6060.05,1797.63 6072.69,1797.63 6095.08,1775.24 ; v1(6047.44,2238.24) 6047.44,2221.24 6053.44,2215.24 6078.03,2215.24 6095.08,2198.19 ; v1(6052.44,4234.24) 6052.44,4222.24 6060.44,4214.24 6071.44,4214.24 6090.44,4195.24 6095.08,4195.24 ; v1@6052.44,4666.24 6052.44,4664.06 6095.08,4621.42 ; v1(6054.44,3814.24) 6054.44,3797.24 6063.44,3788.24 6079.44,3788.24 6095.08,3772.6 6095.08,3770.83 ; v1(6062.44,5092.24) 6062.44,5079.24 6070.44,5071.24 6083.44,5071.24 6095.08,5059.6 6095.08,5053.19 ; v1(6086.44,532.24) 6120.67,498.01 6120.67,490.83 ; v1(6087.94,1822.86) 6087.94,1813.66 6104.98,1796.62 6111.06,1796.62 6120.66,1787.02 6120.66,1775.25 ; v1(6088.44,964.24) 6120.67,932.01 6120.67,922.01 ; v1(6090.44,1389.24) 6120.67,1359.01 6120.67,1350.24 ; 6091.44,2239.24 6091.44,2238.16 6120.67,2208.93 6120.67,2198.19 ; v1(6096.44,4234.24) 6120.67,4210.01 6120.67,4195.24 ; v1@6097.44,4667.24 6120.67,4644.01 6120.67,4621.42 ; v1@6099.44,3813.24 6120.67,3792.01 6120.67,3770.83 ; v1(6108.44,5092.24) 6120.67,5080.01 6120.67,5053.19 ; v1(6113.44,4078.24) 6129.44,4078.24 6139.44,4088.24 6139.44,4106.24 6144.05,4110.84 6144.05,4116.25 6146.26,4118.46 ; v1(6116.22,3660.14) 6123.54,3660.14 6122.71,3660.97 6143.22,3681.48 6143.22,3688.65 6147.44,3692.87 6146.26,3694.06 ; v1(6116.44,806.24) 6129.44,806.24 6133.83,810.63 6133.83,831.7 6142.98,840.84 6143.89,840.84 6146.26,843.21 6146.26,845.24 ; v1(6121.44,374.24) 6121.44,376.24 6136.83,391.63 6136.83,396.7 6145.98,405.84 6146.26,405.84 6146.26,414.06 ; v1(6125.44,4490.24) 6139.44,4504.24 6161.08,4504.24 6171.85,4493.46 ; v1(6126.69,1642.24) 6128.44,1642.24 6142.27,1656.07 6163.07,1656.07 6171.85,1647.28 ; v1(6127.44,1217.91) 6127.44,1219.24 6139.27,1231.07 6163.07,1231.07 6171.85,1222.28 ; v1(6127.44,3639.24) 6138.47,3650.26 6161.42,3650.26 6168.8,3642.87 6171.85,3642.87 ; v1(6128.44,4921.24) 6143.44,4936.24 6160.85,4936.24 6171.85,4925.24 ; v1(6129.44,4063.24) 6145.44,4079.24 6159.9,4079.24 6171.85,4067.28 ; v1(6130.44,532.24) 6146.26,516.42 6146.26,490.83 ; v1(6132.44,355.24) 6142.65,355.24 6145.98,351.91 6157.22,351.91 6171.85,337.28 ; v1@6132.44,1812.24 6146.26,1798.42 6146.26,1775.24 ; v1(6136.44,964.24) 6146.26,954.42 6146.26,922.01 ; v1(6136.44,1390.24) 6147.66,1379.02 6147.66,1351.63 6146.26,1350.24 ; v1(6137.87,2236.74) 6137.87,2235.8 6146.26,2227.42 6146.26,2198.19 ; v1@6141.44,4667.24 6146.26,4662.42 6146.26,4621.42